# Altium PCB APB.PcbDoc (part 1 of 3) (continued)
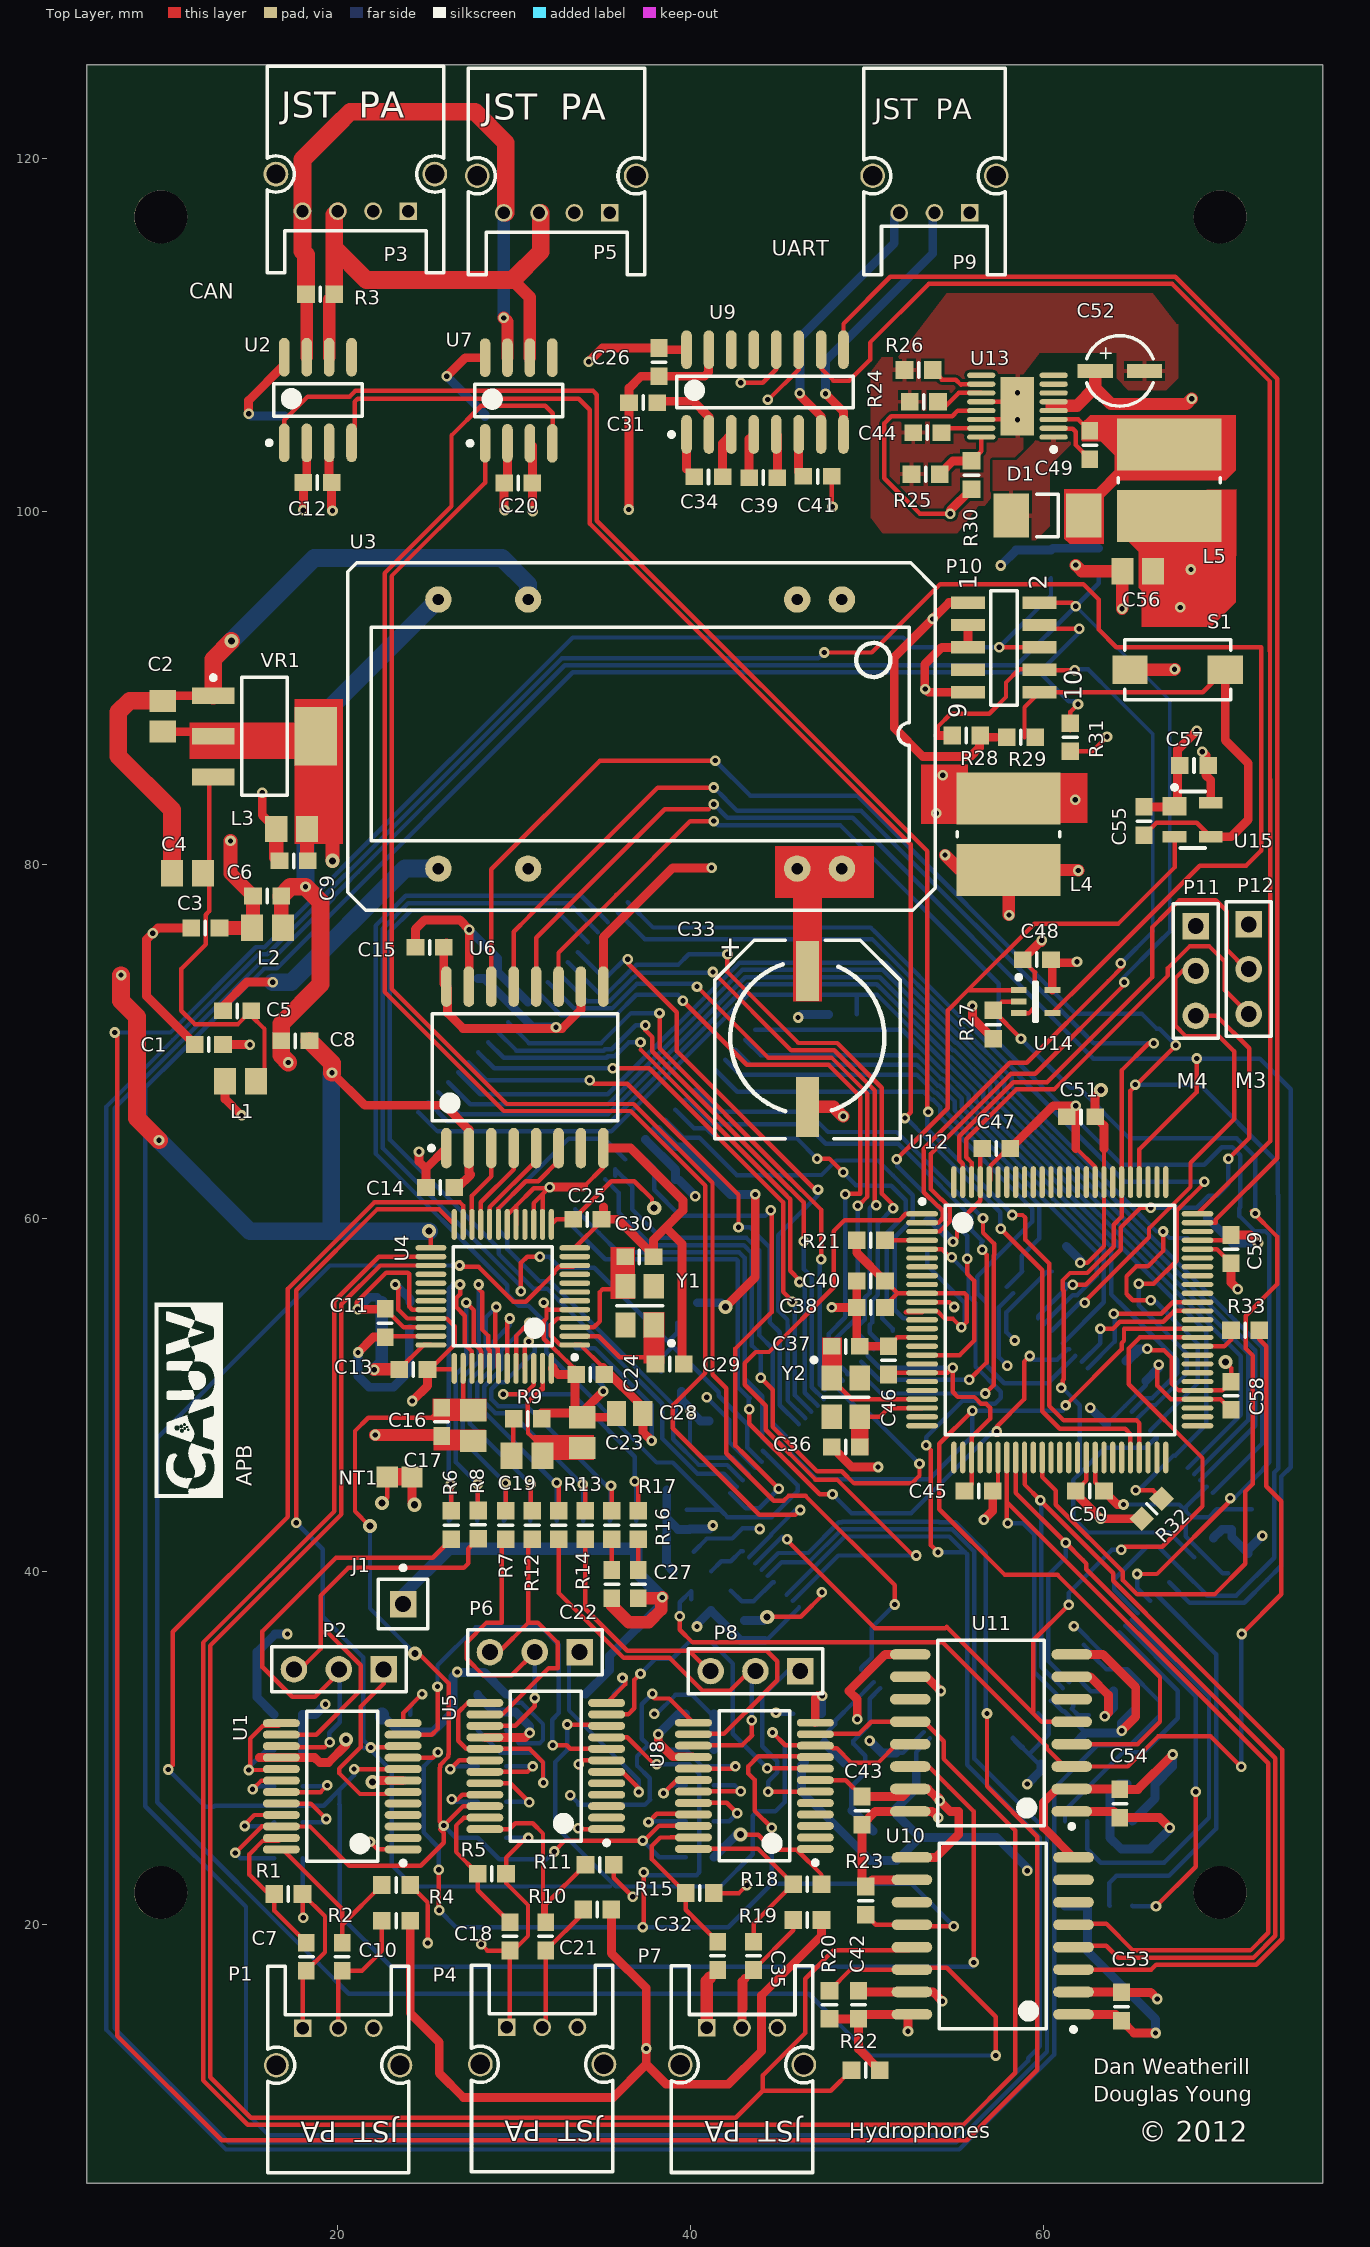
[diagram p0: Top Layer view]
## Components (designator, comment, footprint, x,y, rotation, side; value= is the part's Value field where it differs from the comment)
C1 "Cap" C0603 12.719,69.835 r0 top (schematic designator C73)
C2 "Cap" C0805 10.119,88.435 r90 top (schematic designator C78)
C3 "Cap" C0603 12.519,76.435 r180 top (schematic designator C68)
C4 "Cap" C0805 11.519,79.535 r0 top (schematic designator C77)
C5 "Cap" C0603 14.319,71.735 r0 top (schematic designator C32)
C6 "Cap" C0603 16.019,78.235 r180 top (schematic designator C31)
C7 "Cap" C0603 18.24,18.158 r270 top (schematic designator C65)
C8 "Cap" C0603 17.619,70.035 r0 top (schematic designator C67)
C9 "Cap" C0603 17.519,80.235 r180 top (schematic designator C36)
C10 "Cap" C0603 20.272,18.158 r270 top (schematic designator C64)
C11 "Cap" C0603 22.706,54.052 r270 top (schematic designator C21)
C12 "Cap" C0603 18.869,101.66 r180 top (schematic designator C1)
C13 "Cap" C0603 24.306,51.427 r0 top (schematic designator C8)
C14 "Cap" C0603 25.819,61.735 r180 top (schematic designator C58)
C15 "Cap" C0603 25.219,75.335 r0 top (schematic designator C57)
C16 "Cap" C0603 25.906,48.452 r90 top (schematic designator C20)
C17 "Cap" C0805 27.706,48.252 r90 top (schematic designator C19)
C18 "Cap" C0603 29.767,19.305 r270 top (schematic designator C65)
C19 "Cap Pol3" C0805 30.719,46.535 r180 top (schematic designator C3)
C20 "Cap" C0603 30.241,101.632 r180 top (schematic designator C1)
C21 "Cap" C0603 31.799,19.305 r270 top (schematic designator C64)
C22 "Cap" C0603 35.544,39.26 r90 top (schematic designator C55)
C23 "Cap Pol3" C0805 33.856,47.852 r90 top (schematic designator C4)
C24 "Cap" C0603 34.319,51.135 r180 top (schematic designator C6)
C25 "Cap" C0603 34.156,59.927 r180 top (schematic designator C10)
C26 "Cap" C0603 38.219,108.485 r270 top (schematic designator C1)
C27 "Cap" C0603 37.044,39.26 r90 top (schematic designator C56)
C28 "Cap Pol3" CAPC2012L 36.556,48.927 r0 top (schematic designator C9)
C29 "Cap" C0603 38.819,51.735 r180 top (schematic designator C1)
C30 "Cap" C0603 37.106,57.802 r180 top (schematic designator C2)
C31 "Cap" C0603 37.319,106.185 r180 top (schematic designator C2)
C32 "Cap" C0603 41.541,18.207 r270 top (schematic designator C65)
C33 "Cap Pol1" Capacitor 46.619,75.735 r270 top (schematic designator C76)
C34 "Cap" C0603 41.019,101.985 r0 top (schematic designator C3)
C35 "Cap" C0603 43.573,18.207 r270 top (schematic designator C64)
C36 "Cap" C0603 48.794,47.035 r180 top (schematic designator C39)
C37 "Cap" C0603 48.794,52.735 r0 top (schematic designator C40)
C38 "Cap" C0603 50.219,54.935 r0 top (schematic designator C43)
C39 "Cap" C0603 44.119,101.935 r0 top (schematic designator C4)
C40 "Cap" C0603 50.219,56.435 r0 top (schematic designator C45)
C41 "Cap" C0603 47.194,102.01 r0 top (schematic designator C5)
C42 "Cap" C0603 49.519,15.435 r270 top (schematic designator C62)
C43 "Cap" C0603 49.719,26.435 r270 top (schematic designator C60)
C44 "Cap" C0603 53.419,104.485 r180 top (schematic designator C6)
C45 "Cap" C0603 56.319,44.535 r180 top (schematic designator C44)
C46 "Cap" C0603 51.219,51.935 r270 top (schematic designator C42)
C47 "Cap" C0603 57.319,63.935 r180 top (schematic designator C49)
C48 "Cap" C0603 59.619,74.635 r180 top (schematic designator C51)
C49 "Cap" C0603 62.619,103.785 r270 top (schematic designator C2)
C50 "Cap" C0603 62.619,44.535 r0 top (schematic designator C41)
C51 "Cap" C0603 62.119,65.735 r0 top (schematic designator C48)
C52 "Cap Pol1" EEEHC1H2R2R 65.719,107.985 r90 top (schematic designator C1)
C53 "Cap" C0603 64.419,15.335 r270 top (schematic designator C61)
C54 "Cap" C0603 64.319,26.835 r270 top (schematic designator C59)
C55 "Cap" C0603 65.694,82.486 r90 top (schematic designator C2)
C56 "Cap" C0805 65.319,96.635 r180 top (schematic designator C4)
C57 "Cap" C0603 68.519,85.635 r180 top (schematic designator C1)
C58 "Cap" C0603 70.619,49.935 r90 top (schematic designator C47)
C59 "Cap" C0603 70.619,58.235 r90 top (schematic designator C46)
C60 "Cap" C0603 17.224,23.746 r180 bottom (schematic designator C63)
C61 "Cap" C0603 17.224,25.778 r0 bottom (schematic designator C68)
C62 "Cap" C0603 17.224,29.842 r0 bottom (schematic designator C75)
C63 "Cap" C0603 17.224,27.81 r180 bottom (schematic designator C69)
C64 "Cap" C0603 17.224,31.874 r0 bottom (schematic designator C70)
C65 "Cap" C0603 23.319,53.735 r0 bottom (schematic designator C22)
C66 "Cap" C0603 23.32,31.874 r180 bottom (schematic designator C74)
C67 "Cap" C0603 23.319,55.235 r0 bottom (schematic designator C5)
C68 "Cap" C0603 28.751,26.925 r0 bottom
C69 "Cap" C0603 28.751,28.957 r180 bottom
C70 "Cap" C0603 28.751,33.021 r0 bottom
C71 "Cap" C0603 26.319,42.06 r90 bottom (schematic designator C18)
C72 "Cap" C0603 28.519,74.135 r225 bottom (schematic designator C53)
C73 "Cap" C0603 28.751,24.893 r180 bottom (schematic designator C63)
C74 "Cap" C0603 28.751,30.989 r0 bottom (schematic designator C75)
C75 "Cap" C0603 29.419,42.06 r90 bottom (schematic designator C12)
C76 "Cap" C0603 27.919,42.06 r90 bottom (schematic designator C11)
C77 "Cap" C0603 34.847,33.021 r180 bottom (schematic designator C74)
C78 "Cap" C0603 32.419,42.06 r90 bottom (schematic designator C14)
C79 "Cap" C0603 30.919,42.06 r90 bottom (schematic designator C13)
C80 "Cap" C0603 35.419,42.06 r90 bottom (schematic designator C16)
C81 "Cap" C0603 33.919,42.06 r90 bottom (schematic designator C15)
C82 "Cap" C0603 33.919,52.235 r315 bottom (schematic designator C7)
C83 "Cap" C0603 40.525,23.795 r180 bottom (schematic designator C63)
C84 "Cap" C0603 40.525,25.827 r0 bottom (schematic designator C68)
C85 "Cap" C0603 40.525,29.891 r0 bottom (schematic designator C75)
C86 "Cap" C0603 40.525,27.859 r180 bottom (schematic designator C69)
C87 "Cap" C0603 40.525,31.923 r0 bottom (schematic designator C70)
C88 "Cap" C0603 39.619,40.535 r225 bottom (schematic designator C38)
C89 "Cap" C0603 36.919,42.06 r90 bottom (schematic designator C17)
C90 "Cap" C0603 39.719,62.735 r45 bottom (schematic designator C54)
C91 "Cap" C0603 43.619,36.635 r135 bottom (schematic designator C33)
C92 "Cap" C0603 41.619,48.035 r135 bottom (schematic designator C25)
C93 "Cap" C0603 47.019,29.735 r45 bottom (schematic designator C24)
C94 "Cap" C0603 46.621,31.923 r180 bottom (schematic designator C74)
C95 "Cap" C0603 50.919,25.835 r225 bottom (schematic designator C23)
C96 "Cap" C0603 52.219,29.135 r315 bottom (schematic designator C34)
C97 "Cap" C0603 53.419,59.035 r90 bottom (schematic designator C26)
C98 "Cap" C0603 60.419,29.635 r45 bottom (schematic designator C37)
C99 "Cap" C0603 60.719,57.835 r45 bottom (schematic designator C29)
C100 "Cap" C0603 65.519,27.935 r180 bottom (schematic designator C50)
C101 "Cap" C0603 64.519,32.635 r315 bottom (schematic designator C30)
C102 "Cap" C0603 65.219,51.335 r135 bottom (schematic designator C27)
C103 "Cap" C0603 71.019,40.435 r45 bottom (schematic designator C35)
C104 "Cap" C0603 71.219,42.935 r225 bottom (schematic designator C28)
D1 "D Schottky" VS-10BQ030TRPBF 60.219,99.785 r0 top
J1 "Socket" PIN1 23.719,38.135 r0 top
L1 "Inductor" C0805 14.519,67.735 r0 top (schematic designator L4)
L2 "Inductor" C0805 16.019,76.435 r180 top (schematic designator L3)
L3 "Inductor" C0805 17.394,82.035 r180 top (schematic designator L2)
L4 "Inductor" SDR0604-150YL 58.019,81.735 r270 top (schematic designator L1)
L5 "Inductor" SDR0604-150YL 67.119,101.785 r90 top (schematic designator L1)
NT1 "Net Tie" NetTie 24.019,45.335 r180 top net-tie
P1 "Header 3" S03B-PASK-2 22.044,14.11 r180 top (schematic designator P6)
P2 "Header 3" HDR1X3 22.619,34.435 r180 top (schematic designator P5)
P3 "Header 4" S04B-PASK-2 18.019,117.035 r0 top (schematic designator P2)
P4 "Header 3" S03B-PASK-2 33.595,14.164 r180 top (schematic designator P6)
P5 "Header 4" S04B-PASK-2 29.419,116.935 r0 top (schematic designator P1)
P6 "Header 3" HDR1X3 33.719,35.409 r180 top (schematic designator P5)
P7 "Header 3" S03B-PASK-2 44.919,14.135 r180 top (schematic designator P6)
P8 "Header 3" HDR1X3 46.219,34.335 r180 top (schematic designator P5)
P9 "Header 3" S03B-PASK-2 51.819,116.935 r0 top (schematic designator P1)
P10 "Header 5X2" FTSH-105-01-L-DV 54.819,89.135 r0 top (schematic designator P1)
P11 "Header 3" HDR1X3 68.619,76.535 r270 top (schematic designator P4)
P12 "Header 3" HDR1X3 71.619,76.635 r270 top (schematic designator P3)
R1 "Res2" R0603 17.224,21.714 r180 top (schematic designator R31)
R2 "Res2" R0603 23.32,20.19 r0 top (schematic designator R29)
R3 "Res2" R0603 19.019,112.335 r0 top (schematic designator R1)
R4 "Res2" R0603 23.32,22.222 r180 top (schematic designator R30)
R5 "Res2" R0603 28.751,22.861 r180 top (schematic designator R31)
R6 "Res1" R0603 26.444,42.61 r270 top (schematic designator R2)
R7 "Res1" R0603 29.544,42.61 r270 top (schematic designator R4)
R8 "Res1" R0603 27.986,42.632 r270 top (schematic designator R3)
R9 "Res1" R0603 30.781,48.635 r180 top (schematic designator R1)
R10 "Res2" R0603 34.719,20.835 r0 top (schematic designator R29)
R11 "Res2" R0603 34.847,23.369 r180 top (schematic designator R30)
R12 "Res1" R0603 31.044,42.61 r270 top (schematic designator R5)
R13 "Res1" R0603 32.544,42.61 r270 top (schematic designator R6)
R14 "Res1" R0603 34.044,42.61 r270 top (schematic designator R7)
R15 "Res2" R0603 40.525,21.763 r180 top (schematic designator R31)
R16 "Res1" R0603 37.044,42.61 r270 top (schematic designator R9)
R17 "Res1" R0603 35.544,42.61 r270 top (schematic designator R8)
R18 "Res2" R0603 46.621,22.271 r180 top (schematic designator R30)
R19 "Res2" R0603 46.621,20.239 r0 top (schematic designator R29)
R20 "Res1" R0603 47.869,15.435 r270 top (schematic designator R16)
R21 "Res2" R0603 50.219,58.735 r180 top (schematic designator R13)
R22 "Res1" R0603 49.919,11.735 r0 top (schematic designator R15)
R23 "Res1" R0603 49.919,21.335 r90 top (schematic designator R14)
R24 "Res" R0603 53.219,106.235 r0 top (schematic designator R5)
R25 "Res" R0603 53.319,102.135 r0 top (schematic designator R3)
R26 "Res" R0603 52.919,108.035 r0 top (schematic designator R4)
R27 "Res1" R0603 57.144,70.96 r270 top (schematic designator R34)
R28 "Res" R0603 55.619,87.335 r0 top (schematic designator R3)
R29 "Res" R0603 58.719,87.235 r180 top (schematic designator R5)
R30 "Res" R0603 55.919,102.085 r270 top (schematic designator R1)
R31 "Res" R0603 61.519,87.235 r270 top (schematic designator R2)
R32 "Res1" R0603 66.119,43.535 r45 top (schematic designator R40)
R33 "Res1" R0603 71.419,53.635 r180 top (schematic designator R12)
R34 "Res" R0603 16.994,104.635 r90 bottom (schematic designator R1)
R35 "Res" R0603 28.366,104.607 r90 bottom (schematic designator R1)
R36 "Res1" R0603 40.619,39.435 r45 bottom (schematic designator R11)
R37 "Res1" R0603 38.919,50.735 r135 bottom (schematic designator R39)
R38 "Res1" R0603 39.819,54.635 r45 bottom (schematic designator R35)
R39 "Res2" R0603 41.719,38.335 r225 bottom (schematic designator R10)
R40 "Res1" R0603 39.219,44.035 r315 bottom (schematic designator R37)
R41 "Res1" R0603 48.619,71.535 r180 bottom (schematic designator R36)
R42 "Res" R0603 60.419,97.035 r90 bottom (schematic designator R4)
R43 "Res" R0603 63.119,97.135 r90 bottom (schematic designator R1)
R44 "Res1" R0603 68.719,59.435 r225 bottom (schematic designator R38)
S1 "SW-PB" DTSM-32S-B 67.594,91.061 r180 top
U1 "PGA2505" SOP65P780X200-24N 20.272,27.81 r180 top (schematic designator U9)
U2 "SN65HVD230DR" SN65HVD230DR 18.894,106.335 r90 top (schematic designator U1)
U3 "JCD0624D05" DIP24 51.119,95.035 r270 top (schematic designator U11)
U4 "AD1794" TSQFP50P900X900X145-48N 29.369,55.56 r180 top (schematic designator U1)
U5 "PGA2505" SOP65P780X200-24N 31.799,28.957 r180 top (schematic designator U9)
U6 "ADUM3400" SOIC12 30.619,68.535 r90 top
U7 "SN65HVD230DR" SN65HVD230DR 30.266,106.307 r90 top (schematic designator U1)
U8 "PGA2505" SOP65P780X200-24N 43.619,27.835 r180 top (schematic designator U9)
U9 "TRSF3232EID" SOIC127P600X175-16N 44.219,106.785 r90 top (schematic designator U1)
U10 "ADUM1300" SOIC12 57.119,19.335 r180 top (schematic designator U7)
U11 "ADUM1301" SOIC12 57.019,30.835 r180 top (schematic designator U8)
U12 "LPC1768" LPC1768 60.919,54.235 r0 top (schematic designator U3)
U13 "LT3509" LT3509 58.519,105.985 r180 top (schematic designator U1)
U14 "74LVC1G08" SOT23127P600-8N 59.544,72.26 r0 top (schematic designator U10)
U15 "STM811" STM811 68.443,82.56 r0 top (schematic designator U1)
U16 "AS7C34098" TSOP80P1180X120-44N 34.119,68.335 r315 bottom (schematic designator U4)
U17 "LPC4330" TSQFP50P2200X2200X160-144N 55.919,43.135 r45 bottom (schematic designator U2)
U18 "AT25F512B" SOIC127P600-8N 63.119,23.435 r270 bottom (schematic designator U5)
VR1 "ADP3338AKCZ-3.3RL7" ADP3338AKCZ-3.3RL7 15.869,87.285 r0 top
Y1 "XTAL" C3E-24.000-12-3030-X 37.919,53.935 r90 top
Y2 "XTAL" C3E-24.000-12-3030-X 47.994,50.935 r270 top (schematic designator Y3)
Y3 "XTAL" C3E-24.000-12-3030-X 48.719,29.135 r315 bottom (schematic designator Y2)

## Footprints (in the part's own frame and the unit in brackets; to place one, negate y for a bottom-side part, rotate by r counter-clockwise, add the part's x,y. Pads: shape width x height; smd on the part's side, far side on the other; paste and mask are expansions set on the pad)
ADP3338AKCZ-3.3RL7 [mm] "3.3V LDO Regulator"
  rect 2.4x0.95 smd: 1(-2.9,2.3) 2(-2.9,0) 3(-2.9,-2.3)
  rect 2.4x3.3 smd: 2(2.9,0)
  silkscreen extent -3.02,-3.35 1.3,3.45, body extent -1.85,-3.35 1.85,3.35, height 1.8
C3E-24.000-12-3030-X [mm]
  rect 1.4x1.15 smd: 1(0,0) 2(2.2,1.6) 3(2.2,0) 4(0,1.6)
  silkscreen extent -1.15,-1.13 1.1,2.1, body extent -0.6,-0.5 2.8,2.1, height 0.75
C0603 [mm] "Chip Capacitor, 2-Leads, Body 1.6x0.8mm, IPC Medium Density"
  rect 1x0.95 smd: 1(-0.8,0) 2(0.8,0)
  silkscreen extent 0,-0.38 0,0.38, body extent -0.88,-0.48 0.87,0.48, height 0.8
C0805 [mm] "KEMET - C0805C104K5RACTU - CAPACITOR, 0805, 100NF, 50V, X7R"
  rect 1.25x1.5 smd: 1(-0.889,0) 2(0.861,0)
  body extent -1.12,-0.72 1.09,0.72, height 1
Capacitor [mm]
  rect 3.4x1.3 smd: 1(1.738,0) 2(9.438,0)
  silkscreen extent 0,-5.25 11.25,5.25, body extent 0.52,-4.98 10.98,5.5, height 10
CAPC2012L [mm] "Chip Capacitor, Body 2.0x1.3mm, IPC High Density"
  rect 1.1x1.4 smd: 1(-0.75,0) 2(0.75,0)
  body extent -1.1,-0.72 1.1,0.72, height 1.4
DIP24 [mm]
  round 1.5 hole 0.65: 2(0,-2.54) 3(0,-5.08) 9(0,-20.32) 11(0,-25.4) 14(15.24,-25.4) 16(15.24,-20.32) 22(15.24,-5.08) 23(15.24,-2.54)
  silkscreen extent -2.08,-30.53 17.61,2.75, body extent -1.27,-29.53 16.51,1.59, height 10.4
DTSM-32S-B [mm] "MULTICOMP - DTSM-32S-B - TACTILE SWITCH, SPNO, SMD, 50MA"
  rect 2x1.6 smd: 1(-2.7,0) 2(2.7,0)
  silkscreen extent -3,-1.7 3,1.7, body extent -3.67,-1.75 3.67,1.75, height 2.08
EEEHC1H2R2R [mm] "PANASONIC - EEEHC1H2R2R - CAPACITOR, ELECTROLYTIC, 50V, 2.2UF"
  rect 0.8x2 smd: 1(0,2.8) 2(0,0)
  silkscreen extent -2,-0.48 2,3.28, body extent -2.15,-0.9 2.15,3.7, height 5.9
FTSH-105-01-L-DV [mm] "HEADER, 1.27MM, SMD, 10WAY"
  rect 1.9x0.7 smd: 1(0.9,5.725) 2(4.95,5.725) 3(0.9,4.456) 4(4.95,4.456) 5(0.9,3.187) 6(4.95,3.187) 7(0.9,1.919) 8(4.95,1.919) 9(0.9,0.65) 10(4.95,0.65)
  silkscreen extent 2.2,-0.1 3.7,6.4, body extent 0,0 5.84,6.35, height 5.97
HDR1X3 [mm] "Connector; Header; 3 Position"
  rect 1.5x1.5 hole 0.9: 1(0,0)
  round 1.5 hole 0.9: 2(2.54,0) 3(5.08,0)
  silkscreen extent -1.27,-1.27 6.35,1.27
LPC1768 [mm] "TSQFP, 100-Leads, Body 16.8x16.8mm (max), Pitch 0.50mm, IPC Medium Density"
  oval 1.8x0.3 smd: 1(-7.8,6) 2(-7.8,5.5) 3(-7.8,5) 4(-7.8,4.5) 5(-7.8,4) 6(-7.8,3.5) 7(-7.8,3) 8(-7.8,2.5) 9(-7.8,2) 10(-7.8,1.5) 11(-7.8,1) 12(-7.8,0.5) 13(-7.8,0) 14(-7.8,-0.5) 15(-7.8,-1) 16(-7.8,-1.5) 17(-7.8,-2) 18(-7.8,-2.5) 19(-7.8,-3) 20(-7.8,-3.5) 21(-7.8,-4) 22(-7.8,-4.5) 23(-7.8,-5) 24(-7.8,-5.5) 25(-7.8,-6) 51(7.8,-6) 52(7.8,-5.5) 53(7.8,-5) 54(7.8,-4.5) 55(7.8,-4) 56(7.8,-3.5) 57(7.8,-3) 58(7.8,-2.5) 59(7.8,-2) 60(7.8,-1.5) 61(7.8,-1) 62(7.8,-0.5) 63(7.8,0) 64(7.8,0.5) 65(7.8,1) 66(7.8,1.5) 67(7.8,2) 68(7.8,2.5) 69(7.8,3) 70(7.8,3.5) 71(7.8,4) 72(7.8,4.5) 73(7.8,5) 74(7.8,5.5) 75(7.8,6)
  oval 0.3x1.8 smd: 26(-6,-7.8) 27(-5.5,-7.8) 28(-5,-7.8) 29(-4.5,-7.8) 30(-4,-7.8) 31(-3.5,-7.8) 32(-3,-7.8) 33(-2.5,-7.8) 34(-2,-7.8) 35(-1.5,-7.8) 36(-1,-7.8) 37(-0.5,-7.8) 38(0,-7.8) 39(0.5,-7.8) 40(1,-7.8) 41(1.5,-7.8) 42(2,-7.8) 43(2.5,-7.8) 44(3,-7.8) 45(3.5,-7.8) 46(4,-7.8) 47(4.5,-7.8) 48(5,-7.8) 49(5.5,-7.8) 50(6,-7.8) 76(6,7.8) 77(5.5,7.8) 78(5,7.8) 79(4.5,7.8) 80(4,7.8) 81(3.5,7.8) 82(3,7.8) 83(2.5,7.8) 84(2,7.8) 85(1.5,7.8) 86(1,7.8) 87(0.5,7.8) 88(0,7.8) 89(-0.5,7.8) 90(-1,7.8) 91(-1.5,7.8) 92(-2,7.8) 93(-2.5,7.8) 94(-3,7.8) 95(-3.5,7.8) 96(-4,7.8) 97(-4.5,7.8) 98(-5,7.8) 99(-5.5,7.8) 100(-6,7.8)
  silkscreen extent -7.92,-6.5 6.5,6.82, body extent -7,-7 7,7, height 1.6
LT3509 [mm] "LT3509"
  oval 1.6x0.3 smd: 1(-2.05,1.75) 2(-2.05,1.25) 3(-2.05,0.75) 4(-2.05,0.25) 5(-2.05,-0.25) 6(-2.05,-0.75) 7(-2.05,-1.25) 8(-2.05,-1.75) 9(2.05,-1.75) 10(2.05,-1.25) 11(2.05,-0.75) 12(2.05,-0.25) 13(2.05,0.25) 14(2.05,0.75) 15(2.05,1.25) 16(2.05,1.75)
  rect 1.9x3.3 smd: 17(0,0)
  silkscreen extent -2.18,2.33 -1.93,2.57, body extent -1.55,-2.07 1.55,2.07, height 1.1
NetTie [mm] "Net Tie"
  rect 1.2x1.2 smd: 1(-0.2,0) 2(1.2,0)
  Top Layer lines w1: 1.2,0 -0.2,0
PIN1 [mm] "Connector; Plug"
  rect 1.5x1.5 hole 0.9: 1(0,0)
  silkscreen extent -1.4,-1.4 1.4,2.17
R0603 [mm]
  rect 1x1 smd: 1(-0.8,0) 2(0.8,0)
  silkscreen extent 0,-0.4 0,0.4, body extent -0.85,-0.48 0.85,0.47, height 0.45
S03B-PASK-2 [mm] "JST (JAPAN SOLDERLESS TERMINALS) - S03B-PASK-2 - HEADER, PA, 3WAY, SIDE, 2MM"
  rect 1x1 hole 0.7: 1(4,0)
  round 1 hole 0.7: 2(2,0) 3(0,0)
  round 1.4 hole 1.1: ""(-1.5,2.1) ""(5.5,2.1)
  silkscreen extent -2,-3.5 6,8.2, body extent -2,-3.5 6,8.2, height 6.5
S04B-PASK-2 [mm] "JST (JAPAN SOLDERLESS TERMINALS) - S04B-PASK-2 - HEADER, PA, 4WAY, SIDE, 2MM"
  rect 1x1 hole 0.7: 1(6,0)
  round 1 hole 0.7: 2(4,0) 3(2,0) 4(0,0)
  round 1.4 hole 1.1: ""(-1.5,2.1) ""(7.5,2.1)
  silkscreen extent -2,-3.5 8,8.2, body extent -2,-3.5 8,8.2, height 6.5
SDR0604-150YL [mm] "BOURNS - SDR0604-150YL - INDUCTOR, SMD, 15UH, 1.6A"
  rect 2.95x5.9 smd: 1(-2.025,0) 2(2.025,0)
  silkscreen extent -0.15,-2.9 0.15,2.9, body extent -2.9,-2.88 2.9,2.92, height 4.8
SN65HVD230DR [mm] "TEXAS INSTRUMENTS - SN65HVD230DR - TRANSCEIVER CAN, 65HVD230, SOIC8"
  oval 2.2x0.6 smd: 1(-2.425,1.905) 2(-2.425,0.635) 3(-2.425,-0.635) 4(-2.425,-1.905) 5(2.425,-1.905) 6(2.425,-0.635) 7(2.425,0.635) 8(2.425,1.905)
  silkscreen extent -2.55,-2.5 0.92,2.88, body extent -2,-2.5 2,2.5, height 1.75
SOIC12 [mm]
  oval 2.3x0.6 smd: 1(-4.575,4.445) 2(-4.575,3.175) 3(-4.575,1.905) 4(-4.575,0.635) 5(-4.575,-0.635) 6(-4.575,-1.905) 7(-4.575,-3.175) 8(-4.575,-4.445) 9(4.575,-4.445) 10(4.575,-3.175) 11(4.575,-1.905) 12(4.575,-0.635) 13(4.575,0.635) 14(4.575,1.905) 15(4.575,3.175) 16(4.575,4.445)
  silkscreen extent -4.7,-5.25 3.03,5.42, body extent -3.8,-5.25 3.8,5.25, height 2.65
SOIC127P600-8N [mm]
  oval 2.2x0.6 smd: 1(-2.4,1.905) 2(-2.4,0.635) 3(-2.4,-0.635) 4(-2.4,-1.905) 5(2.4,-1.905) 6(2.4,-0.635) 7(2.4,0.635) 8(2.4,1.905)
  silkscreen extent -2.52,-2.55 0.9,2.88, body extent -1.99,-2.52 1.99,2.52, height 1.75
SOIC127P600X175-16N [mm] "SOIC, 16-Leads, Body 10.0x4.0mm (max), Pitch 1.27mm, IPC Medium Density"
  oval 2.2x0.6 smd: 1(-2.4,4.445) 2(-2.4,3.175) 3(-2.4,1.905) 4(-2.4,0.635) 5(-2.4,-0.635) 6(-2.4,-1.905) 7(-2.4,-3.175) 8(-2.4,-4.445) 9(2.4,-4.445) 10(2.4,-3.175) 11(2.4,-1.905) 12(2.4,-0.635) 13(2.4,0.635) 14(2.4,1.905) 15(2.4,3.175) 16(2.4,4.445)
  silkscreen extent -2.52,-5 0.9,5.42, body extent -2,-5 2,5, height 1.75
SOP65P780X200-24N [mm] "SOP, 24-Leads, Body 8.5x5.6mm (max), Pitch 0.65mm, IPC Medium Density"
  oval 2.1x0.45 smd: 1(-3.45,3.575) 2(-3.45,2.925) 3(-3.45,2.275) 4(-3.45,1.625) 5(-3.45,0.975) 6(-3.45,0.325) 7(-3.45,-0.325) 8(-3.45,-0.975) 9(-3.45,-1.625) 10(-3.45,-2.275) 11(-3.45,-2.925) 12(-3.45,-3.575) 13(3.45,-3.575) 14(3.45,-2.925) 15(3.45,-2.275) 16(3.45,-1.625) 17(3.45,-0.975) 18(3.45,-0.325) 19(3.45,0.325) 20(3.45,0.975) 21(3.45,1.625) 22(3.45,2.275) 23(3.45,2.925) 24(3.45,3.575)
  silkscreen extent -3.58,-4.25 2,4.47, body extent -2.8,-4.25 2.8,4.25, height 2
SOT23127P600-8N [mm]
  rect 0.9x0.35 smd: 1(-0.95,0.65) 2(-0.95,0) 3(-0.95,-0.65) 4(0.95,-0.65) 5(0.95,0.65)
  silkscreen extent -1.07,-1.1 0.1,1.5, body extent -0.67,-1.12 0.67,1.13, height 1
STM811 [mm] "SOT143, 4-Leads, Body 3.0x2.6mm (max), Pitch 1.92mm, IPC Medium Density"
  rect 1.35x1.05 smd: 1(-1.025,0.76)
  rect 1.35x0.65 smd: 2(-1.025,-0.96) 3(1.025,-0.96) 4(1.025,0.96)
  silkscreen extent -1.15,-1.6 0.7,1.96, body extent -0.7,-1.52 0.7,1.52, height 1.12
TSOP80P1180X120-44N [mm] "TSOP, 44-Leads, Body 18.5x10.3mm (max), Pitch 0.80mm, IPC Medium Density"
  oval 2.6x0.55 smd: 1(-5.1,8.4) 2(-5.1,7.6) 3(-5.1,6.8) 4(-5.1,6) 5(-5.1,5.2) 6(-5.1,4.4) 7(-5.1,3.6) 8(-5.1,2.8) 9(-5.1,2) 10(-5.1,1.2) 11(-5.1,0.4) 12(-5.1,-0.4) 13(-5.1,-1.2) 14(-5.1,-2) 15(-5.1,-2.8) 16(-5.1,-3.6) 17(-5.1,-4.4) 18(-5.1,-5.2) 19(-5.1,-6) 20(-5.1,-6.8) 21(-5.1,-7.6) 22(-5.1,-8.4) 23(5.1,-8.4) 24(5.1,-7.6) 25(5.1,-6.8) 26(5.1,-6) 27(5.1,-5.2) 28(5.1,-4.4) 29(5.1,-3.6) 30(5.1,-2.8) 31(5.1,-2) 32(5.1,-1.2) 33(5.1,-0.4) 34(5.1,0.4) 35(5.1,1.2) 36(5.1,2) 37(5.1,2.8) 38(5.1,3.6) 39(5.1,4.4) 40(5.1,5.2) 41(5.1,6) 42(5.1,6.8) 43(5.1,7.6) 44(5.1,8.4)
  silkscreen extent -5.22,-9.25 3.4,9.35, body extent -5.13,-9.26 5.13,9.26, height 1.2
TSQFP50P900X900X145-48N [mm] "TSQFP, 48-Leads, Body 9.2x9.2mm (max), Pitch 0.50mm, IPC Medium Density"
  oval 1.75x0.3 smd: 1(-4.075,2.75) 2(-4.075,2.25) 3(-4.075,1.75) 4(-4.075,1.25) 5(-4.075,0.75) 6(-4.075,0.25) 7(-4.075,-0.25) 8(-4.075,-0.75) 9(-4.075,-1.25) 10(-4.075,-1.75) 11(-4.075,-2.25) 12(-4.075,-2.75) 25(4.075,-2.75) 26(4.075,-2.25) 27(4.075,-1.75) 28(4.075,-1.25) 29(4.075,-0.75) 30(4.075,-0.25) 31(4.075,0.25) 32(4.075,0.75) 33(4.075,1.25) 34(4.075,1.75) 35(4.075,2.25) 36(4.075,2.75)
  oval 0.3x1.75 smd: 13(-2.75,-4.075) 14(-2.25,-4.075) 15(-1.75,-4.075) 16(-1.25,-4.075) 17(-0.75,-4.075) 18(-0.25,-4.075) 19(0.25,-4.075) 20(0.75,-4.075) 21(1.25,-4.075) 22(1.75,-4.075) 23(2.25,-4.075) 24(2.75,-4.075) 37(2.75,4.075) 38(2.25,4.075) 39(1.75,4.075) 40(1.25,4.075) 41(0.75,4.075) 42(0.25,4.075) 43(-0.25,4.075) 44(-0.75,4.075) 45(-1.25,4.075) 46(-1.75,4.075) 47(-2.25,4.075) 48(-2.75,4.075)
  silkscreen extent -4.2,-2.8 2.8,3.57, body extent -3.5,-3.5 3.5,3.5, height 1.45
TSQFP50P2200X2200X160-144N [mm] "TSQFP, 144-Leads, Body 22.1x22.1mm (max), Pitch 0.50mm, IPC Medium Density"
  oval 1.75x0.3 smd: 1(-10.575,8.75) 2(-10.575,8.25) 3(-10.575,7.75) 4(-10.575,7.25) 5(-10.575,6.75) 6(-10.575,6.25) 7(-10.575,5.75) 8(-10.575,5.25) 9(-10.575,4.75) 10(-10.575,4.25) 11(-10.575,3.75) 12(-10.575,3.25) 13(-10.575,2.75) 14(-10.575,2.25) 15(-10.575,1.75) 16(-10.575,1.25) 17(-10.575,0.75) 18(-10.575,0.25) 19(-10.575,-0.25) 20(-10.575,-0.75) 21(-10.575,-1.25) 22(-10.575,-1.75) 23(-10.575,-2.25) 24(-10.575,-2.75) 25(-10.575,-3.25) 26(-10.575,-3.75) 27(-10.575,-4.25) 28(-10.575,-4.75) 29(-10.575,-5.25) 30(-10.575,-5.75) 31(-10.575,-6.25) 32(-10.575,-6.75) 33(-10.575,-7.25) 34(-10.575,-7.75) 35(-10.575,-8.25) 36(-10.575,-8.75) 73(10.575,-8.75) 74(10.575,-8.25) 75(10.575,-7.75) 76(10.575,-7.25) 77(10.575,-6.75) 78(10.575,-6.25) 79(10.575,-5.75) 80(10.575,-5.25) 81(10.575,-4.75) 82(10.575,-4.25) 83(10.575,-3.75) 84(10.575,-3.25) 85(10.575,-2.75) 86(10.575,-2.25) 87(10.575,-1.75) 88(10.575,-1.25) 89(10.575,-0.75) 90(10.575,-0.25) 91(10.575,0.25) 92(10.575,0.75) 93(10.575,1.25) 94(10.575,1.75) 95(10.575,2.25) 96(10.575,2.75) 97(10.575,3.25) 98(10.575,3.75) 99(10.575,4.25) 100(10.575,4.75) 101(10.575,5.25) 102(10.575,5.75) 103(10.575,6.25) 104(10.575,6.75) 105(10.575,7.25) 106(10.575,7.75) 107(10.575,8.25) 108(10.575,8.75)
  oval 0.3x1.75 smd: 37(-8.75,-10.575) 38(-8.25,-10.575) 39(-7.75,-10.575) 40(-7.25,-10.575) 41(-6.75,-10.575) 42(-6.25,-10.575) 43(-5.75,-10.575) 44(-5.25,-10.575) 45(-4.75,-10.575) 46(-4.25,-10.575) 47(-3.75,-10.575) 48(-3.25,-10.575) 49(-2.75,-10.575) 50(-2.25,-10.575) 51(-1.75,-10.575) 52(-1.25,-10.575) 53(-0.75,-10.575) 54(-0.25,-10.575) 55(0.25,-10.575) 56(0.75,-10.575) 57(1.25,-10.575) 58(1.75,-10.575) 59(2.25,-10.575) 60(2.75,-10.575) 61(3.25,-10.575) 62(3.75,-10.575) 63(4.25,-10.575) 64(4.75,-10.575) 65(5.25,-10.575) 66(5.75,-10.575) 67(6.25,-10.575) 68(6.75,-10.575) 69(7.25,-10.575) 70(7.75,-10.575) 71(8.25,-10.575) 72(8.75,-10.575) 109(8.75,10.575) 110(8.25,10.575) 111(7.75,10.575) 112(7.25,10.575) 113(6.75,10.575) 114(6.25,10.575) 115(5.75,10.575) 116(5.25,10.575) 117(4.75,10.575) 118(4.25,10.575) 119(3.75,10.575) 120(3.25,10.575) 121(2.75,10.575) 122(2.25,10.575) 123(1.75,10.575) 124(1.25,10.575) 125(0.75,10.575) 126(0.25,10.575) 127(-0.25,10.575) 128(-0.75,10.575) 129(-1.25,10.575) 130(-1.75,10.575) 131(-2.25,10.575) 132(-2.75,10.575) 133(-3.25,10.575) 134(-3.75,10.575) 135(-4.25,10.575) 136(-4.75,10.575) 137(-5.25,10.575) 138(-5.75,10.575) 139(-6.25,10.575) 140(-6.75,10.575) 141(-7.25,10.575) 142(-7.75,10.575) 143(-8.25,10.575) 144(-8.75,10.575)
  silkscreen extent -10.7,-9.3 9.3,9.57, body extent -10,-10 10,10, height 1.6
VS-10BQ030TRPBF [mm] "VISHAY FORMERLY I.R. - VS-10BQ030TRPBF - DIODE, SCHOTTKY, 1A, 30V"
  rect 2x2.5 smd: 1(-2.05,0) 2(2.05,0)
  silkscreen extent -0.6,-1.2 0.6,1.2, body extent -2.2,-1.8 2.2,1.8, height 2.4

## Part data
C1 C2 C3 C4 C5 C6 C7 C8 C9 C10 C11 C12 C13 C14 C15 C16 C17 C18 C20 C21 C22 C24 C25 C26 C27 C29 C30 C31 C32 C34 C35 C36 C37 C38 C39 C40 C41 C42 C43 C44 C45 C46 C47 C48 C49 C50 C51 C53 C54 C55 C56 C57 C58 C59 C60 C61 C62 C63 C64 C65 C66 C67 C68 C69 C70 C71 C72 C73 C74 C75 C76 C77 C78 C79 C80 C81 C82 C83 C84 C85 C86 C87 C88 C89 C90 C91 C92 C93 C94 C95 C96 C97 C98 C99 C100 C101 C102 C103 C104: "Capacitor"
C19 C23 C28: "Polarized Capacitor (Surface Mount)"
C33 C52: "Polarized Capacitor (Radial)"
D1: "Schottky Diode"
NT1: library part NetTie
P1 P2 P4 P6 P7 P8 P9 P11 P12: "Header, 3-Pin"
P3 P5: "Header, 4-Pin"
P10: "Header, 5-Pin, Dual row"
R1 R2 R3 R4 R5 R6 R7 R8 R9 R10 R11 R12 R13 R14 R15 R16 R17 R18 R19 R20 R21 R22 R23 R27 R32 R33 R36 R37 R38 R39 R40 R41 R44: "Resistor"
R24 R25 R26 R28 R29 R30 R31 R34 R35 R42 R43: library part Res2, "Resistor"
S1: "Switch"
U1 U5 U8: "IC, MICROPHONE AMP, 24TSSOP"
U2 U7: "TEXAS INSTRUMENTS - SN65HVD230DR - TRANSCEIVER CAN, 65HVD230, SOIC8"
U3: "DC/DC CONVERTER, 6W, +/-5V, DIP-24"
U4: "ADC, 4CH, W/ON-CHIP, PLL, 48LQFP"
U6: "IC, DIGITAL ISOLATOR 4CH, SMD"
U9: "TEXAS INSTRUMENTS - TRSF3232EID - RS232, 1MBIT, LINE DRIV/REC, 16SOIC"
U10: "DIGITAL ISOLATOR 3CH, SMD, ADUM1300"
U11: "DIGITAL ISOLATOR 3CH, SMD, ADUM1301"
U12: library part LPC1769
U15: "STMICROELECTRONICS - STM811TW16F - MPU LOW RESET 3.08V, SOT-143-4, 811"
U16: "SRAM, 4MB, 3V, 12NS, 256K x 16, TSOP44"
U17: "MCU, 32BIT, ARM CORTEX M4&M0, 144LQFP"
U18: "MEMORY, DATAFLASH, 512K, SPI, 8SOIC"
VR1: "3.3V LDO Regulator"
Y1 Y2 Y3: "Crystal Oscillator"

## Free pads (board coordinates)
  round 3 hole 3: 1(9.994,21.79) 1(9.994,116.71) 1(69.994,21.79) 1(69.994,116.71)

## Via types
v1: diameter 0.6, hole 0.3, Top Layer to Bottom Layer, tented both sides, 287 vias
v2: diameter 0.8, hole 0.4, Top Layer to Bottom Layer, tented both sides, 14 vias
v3: diameter 0.8, hole 0.4, Top Layer to Bottom Layer, 1 vias

## Nets (pads, with @x,y where several pads share a name; then routed paths per layer and width w, separated by ;. In a path a pad name is that pad's centre, name@x,y a point inside that pad or via, vN(x,y) a via of type N, cw(c..) or ccw(c..) an arc to the next point about the centre after c; other vN are vias at no path point)
+3.3: C12.1 C15.2 C20.1 C26.1 C38.2 C40.2 C45.2 C46.2 C47.1 C48.1 C50.2 C51.1 C53.2 C54.2 C56.1 C57.1 C58.1 C59.1 C72.2 C88.1 C90.2 C91.1 C92.1 C96.1 C97.1 C98.1 C99.1 C100.2 C101.1 C102.1 C103.1 C104.1 L5.1 P10.1 R21.2 R27.2 R28.2 R29.2 R30.2 R31.2 R38.2 R39.2 R41.2 R42.2 R43.2 U2.3 U6.10 U6.16 U7.3 U9.16 U10.1 U11.1 U11.7 U12.10 U12.12 U12.19 U12.28 U12.42 U12.54 U12.71 U12.84 U12.96 U13.13 U14.5 U15.4 U16.11 U16.33 U17.5 U17.25 U17.36 U17.41 U17.59 U17.71 U17.77 U17.94 U17.107 U17.111 U17.127 U17.131 U17.137 U17.141 U18.3 U18.7 U18.8 | length 256.7
  Top Layer w0.25: C38.2@51.019,54.935 51.019,55.035 51.718,55.735 ; C40.2@51.019,56.434 51.718,55.735 ; C46.2@51.219,51.135 51.244,51.16 51.318,51.235 U12.19@53.119,51.235 54.559,51.235 v1(54.848,51.524) 54.848,50.155 55.144,49.86 56.08,49.86 56.455,49.485 56.744,49.485 56.969,49.26 56.969,48.635 55.919,47.584 U12.28@55.919,46.435 55.919,44.934 C45.2@55.519,44.534 ; U12.12@53.119,54.659 52.192,54.659 52.268,54.735 U12.12@53.119,54.735 53.97,54.735 54.42,54.285 54.869,54.285 v1(55.344,53.81) 55.644,54.11 55.644,55.61 55.519,55.735 U12.10@53.119,55.735 51.718,55.735 ; v1(54.719,99.885) 52.994,99.885 50.969,101.91 50.969,105.01 51.369,105.41 54.819,105.41 55.144,105.735 U13.13@56.469,105.735 ; U12.96@56.919,62.035 56.994,62.11 56.994,62.961 57.967,63.935 C47.1@58.019,63.935 ; R31.2@61.519,86.435 62.769,86.435 v1(63.594,87.26) ; 61.819,63.935 61.87,63.935 62.919,62.886 U12.84@62.919,62.035 ; U12.42@62.919,46.435 62.919,45.035 C50.2@63.419,44.534 ; v1(66.524,51.699) 66.444,51.619 66.444,50.51 67.219,49.735 U12.54@68.719,49.735 70.019,49.735 C58.1@70.619,49.135 ; U12.71@68.719,58.234 69.819,58.234 C59.1@70.619,57.434
  Top Layer w0.5: U2.3@19.529,103.91 19.529,101.799 C12.1@19.669,101.659 19.669,100.11 v1(19.719,100.06) ; C15.2@26.019,75.335 26.019,73.265 U6.16@26.174,73.109 26.244,73.04 26.244,71.61 27.119,70.735 v1@32.458,70.735 ; C15.2@26.174,75.335 C15.2@26.174,75.579 ; U7.3@30.901,103.882 31.041,103.742 C20.1@31.041,101.632 31.041,100.062 v1(31.069,100.035) ; v1(32.381,70.812) v1@32.458,70.735 ; U6.10@33.794,73.109 33.794,71.81 32.719,70.735 v1@32.458,70.735 ; v1(34.244,108.51) 35.019,109.285 C26.1@38.219,109.285 38.319,109.185 U9.16@39.774,109.185 ; v2(41.972,54.949) 42.683,55.66 43.669,56.645 v1(43.669,61.335) ; R21.2@49.419,58.735 49.419,58.034 C40.2@51.019,56.434 ; v1(54.719,99.885) 54.719,100.085 R30.2@55.919,101.284 ; P10.1@55.719,94.86 54.644,94.86 v1(53.719,93.935) 51.544,91.76 51.544,87.76 53.169,86.135 55.844,86.135 56.369,86.66 R28.2@56.369,87.235 ; v1(55.969,72.01) 55.969,71.334 R27.2@57.144,70.159 ; R28.2@56.419,87.335 56.369,87.285 R28.2@56.369,87.235 ; 57.319,87.235 R28.2@56.369,87.235 ; C47.1@58.019,63.935 C47.1@58.069,63.984 ; C47.1@58.119,63.934 60.544,66.36 v1(61.819,66.36) 61.819,63.935 ; U14.5@60.494,72.909 60.494,74.309 60.344,74.46 61.844,74.46 v1(61.894,74.51) ; U11.1@61.594,26.389 63.964,26.389 C54.2@64.319,26.035 66.569,26.035 v1(67.144,25.46) ; U11.7@61.594,34.009 62.644,34.009 63.669,32.985 63.669,31.985 v1(63.469,31.785) ; U10.1@61.694,14.889 64.064,14.889 C53.2@64.419,14.535 65.119,13.835 v1(66.344,13.835) ; C50.2@63.419,44.534 64.18,43.773 v1(64.523,43.773) ; v1(68.994,86.41) 69.194,86.21 69.194,85.085 69.468,84.811 U15.4@69.468,83.52 ; C59.1@70.619,57.434 70.619,56.335 v1(70.994,55.96)
  Bottom Layer w0.25: C88.1@40.184,41.1 40.928,41.844 U17.36@42.254,41.844 42.36,41.844 42.944,42.428 43.874,42.428 v1(43.916,42.387) ; v1(40.925,49.849) 40.919,49.842 40.919,49.835 42.184,48.569 42.184,47.369 42.184,47.323 U17.41@43.668,45.839 ; R39.2@41.153,37.644 R39.2@41.153,37.769 ; C91.1@44.384,36.169 46.143,37.927 U17.25@46.143,37.955 ; U17.59@50.032,52.203 50.711,51.524 v1(54.848,51.524) ; C96.1@51.653,29.7 52.03,29.7 U17.5@53.214,30.884 ; C97.1@53.419,58.235 53.419,57.302 U17.71@54.275,56.446 55.061,55.66 55.519,55.202 55.519,53.985 v1(55.344,53.81) ; v1(58.369,53.06) 57.894,53.535 57.894,54.655 U17.77@58.623,55.385 60.207,56.969 C99.1@60.453,56.969 ; U17.141@58.475,30.325 59.171,29.629 ; U17.137@59.684,31.945 60.294,31.335 60.294,30.752 59.171,29.629 ; C98.1@59.853,29.069 59.731,29.069 59.171,29.629 ; v1(61.719,36.885) 61.815,36.885 U17.127@63.219,35.48 ; U17.131@61.805,34.066 62.671,33.2 C101.1@63.953,33.2 ; 63.568,48.31 U17.94@64.634,49.375 65.784,50.525 C102.1@65.784,50.769 ; v1(64.523,43.773) 67.68,43.773 68.044,43.41 ; U17.111@68.876,41.137 68.044,41.97 68.044,42.71 68.394,43.06 ; U17.107@69.23,44.779 69.213,44.779 68.044,43.61 68.044,43.41 ; C104.1@71.784,43.5 69.809,43.5 69.369,43.06 68.394,43.06 ; 68.044,43.41 68.394,43.06
  Bottom Layer w0.254: U17.111@68.876,41.137 70.144,39.869 C103.1@70.453,39.869
  Bottom Layer w0.3: U17.141@58.27,30.53 58.475,30.325 U17.141@58.782,30.018
  Bottom Layer w0.5: C72.2@27.953,73.569 28.319,73.569 U16.11@30.229,71.658 31.076,70.812 v1(32.381,70.812) ; U16.33@38.008,65.011 38.184,65.011 39.163,64.033 39.552,64.033 C90.2@40.284,63.3 42.25,61.335 v1(43.669,61.335) ; v1(40.369,36.86) 40.369,36.985 R39.2@41.153,37.769 42.853,36.069 C91.1@44.184,36.069 ; R38.2@40.384,55.2 41.721,55.2 v2(41.972,54.949) ; v1(46.094,71.36) 46.269,71.534 R41.2@47.819,71.534 ; v1(50.144,30.385) 50.828,29.7 C96.1@51.653,29.7 ; v1(57.569,96.96) 58.444,97.835 R42.2@60.419,97.835 60.519,97.935 R43.2@63.119,97.935 ; v1(59.069,27.935) 59.853,28.719 C98.1@59.853,29.069 ; U18.8@61.214,21.035 U18.7@62.484,21.035 62.484,18.47 66.344,14.61 v1(66.344,13.835) ; v1@62.631,49.247 63.568,48.31 ; v1(63.469,31.785) 63.953,32.269 C101.1@63.953,33.2 ; C100.2@64.719,27.934 64.269,27.934 63.744,27.41 63.754,27.4 U18.3@63.754,25.835 63.754,24.9 64.394,24.26 66.019,24.26 67.144,25.385 v1(67.144,25.46) ; C102.1@65.784,50.769 66.524,51.508 v1(66.524,51.699)
  other v1: 62.644,49.26 67.744,94.585 68.344,96.735
+3.3_ISOL: C9.2 C13.2 C23.2 C24.2 C28.1 C67.2 C82.2 L3.2 R9.1 U4.5 U4.33 U4.37 U4.48 | length 35.7
  Top Layer w0.25: v1(23.273,56.233) 23.273,56.204 v1@23.456,56.022 ; v1@23.494,56.06 v1@23.456,56.022 ; U4.37@26.619,51.484 26.561,51.427 C13.2@25.106,51.427 25.237,51.427 26.644,52.833 26.644,53.86 26.194,54.31 U4.33@25.294,54.31 23.956,54.31 23.456,54.81 v1@23.456,56.022 ; v1(31.694,55.21) 31.646,55.21 31.639,55.203 31.639,55.14 31.844,54.936 31.844,54.31 31.694,54.16 31.694,53.886 31.694,53.185 31.694,53.168 32.452,52.409 32.469,52.409 33.352,51.527 C24.2@33.456,51.527 ; 31.97,54.809 32.617,54.809 U4.5@33.444,54.809
  Top Layer w0.5: v1(15.744,84.085) 15.744,82.823 L3.2@16.533,82.034 ; v1(24.244,49.635) 25.106,50.497 C13.2@25.106,51.427 ; R9.1@31.556,48.952 C23.2@33.617,48.952 ; U4.48@32.211,51.527 32.169,51.484 32.519,51.135 C24.2@33.456,51.135 ; C24.2@33.519,51.135 C24.2@33.456,51.135 ; v1(35.051,50.192) 33.856,48.997 C23.2@33.856,48.713 ; C28.1@35.806,48.927 35.592,48.713 C23.2@33.856,48.713 ; C24.2@33.456,51.135 33.456,49.113 C23.2@33.617,48.952 ; C23.2@33.617,48.952 C23.2@33.856,48.713
  Top Layer w0.8: L3.2@16.533,82.034 16.533,80.421 C9.2@16.719,80.235
  Bottom Layer w0.25: C82.2@34.484,51.669 34.484,51.044 35.051,50.477 v1(35.051,50.192)
  Bottom Layer w0.5: v1(23.273,56.233) 24.119,55.387 C67.2@24.119,55.234
+3.3_ISOL_D: C2.1 C9.1 C14.2 C25.2 C42.2 C43.2 L3.1 R20.2 R22.2 R23.2 U4.13 U6.1 U10.10 U10.16 U11.10 U11.16 VR1.2 | length 42
  Top Layer w0.25: U4.13@32.119,59.635 32.411,59.927 C25.2@33.356,59.927 35.514,62.085 36.819,62.085 37.819,61.085 37.819,60.685 v2(37.944,60.56)
  Top Layer w0.5: C2.1@10.119,87.546 12.708,87.546 VR1.2@12.969,87.285 ; v1(24.622,63.749) 24.622,63.201 25.019,62.804 ; C14.2@25.019,61.735 25.019,62.804 ; U6.1@26.174,63.959 25.019,62.804 ; R20.2@47.869,14.635 C42.2@49.519,14.635 ; R22.2@50.719,11.734 49.519,12.934 C42.2@49.519,14.635 ; v1(52.319,13.935) 52.319,14.664 U10.16@52.544,14.889 49.774,14.889 C42.2@49.519,14.635 ; U11.10@52.444,34.009 53.369,34.009 v1(54.169,33.21) ; U10.10@52.544,22.509 50.294,22.509 R23.2@49.919,22.134 49.719,22.334 C43.2@49.719,25.635 50.474,26.389 U11.16@52.444,26.389 53.689,26.389 v1(54.044,26.035)
  Top Layer w0.8: L3.1@18.283,82.034 18.283,80.271 C9.1@18.319,80.235 ; v2(19.719,80.235) 19.719,83.51
A0: R32.2 R41.1 U16.1 U17.102 | length 70.2
  Top Layer w0.25: v1(65.219,44.585) 66.2,44.585 R32.2@66.684,44.1
  Bottom Layer w0.25: R41.1@49.419,71.534 49.419,72.535 49.519,72.635 ; 64.231,58.541 69.216,53.556 69.216,53.42 ; v1(65.219,44.585) 65.394,44.585 67.356,46.546 U17.102@67.462,46.546
  Bottom Layer w0.254: U16.1@24.573,66.001 25.669,64.904 35.506,64.904 43.236,72.635 49.519,72.635 50.59,72.635 54.518,68.707 54.586,68.707 56.166,67.127 56.166,66.606 64.231,58.541 64.231,58.405 ; U17.102@67.462,46.546 69.216,48.3 69.216,53.42
A1: U16.2 U17.104 | length 66.3
  Bottom Layer w0.254: U16.2@25.138,66.567 26.219,65.486 35.516,65.486 43.273,73.242 50.554,73.242 50.758,73.039 54.686,69.111 54.753,69.111 56.57,67.294 56.57,67.227 56.57,66.773 61.768,61.575 64.635,58.708 69.62,53.723 71.178,52.165 71.178,48.848 U17.104@68.169,45.839
A2: U16.3 U17.105 | length 66.9
  Bottom Layer w0.254: U16.3@25.704,67.132 26.947,65.89 35.349,65.89 43.105,73.646 50.722,73.646 54.853,69.515 54.92,69.515 56.974,67.461 56.974,67.394 56.974,66.94 62.172,61.742 65.039,58.875 70.024,53.89 71.582,52.332 71.582,52.197 71.582,48.544 U17.105@68.523,45.486
A3: U16.4 U17.106 | length 67.3
  Bottom Layer w0.254: U16.4@26.27,67.698 27.522,66.446 35.334,66.446 42.938,74.05 50.889,74.05 55.021,69.919 55.088,69.919 57.378,67.629 57.378,67.561 57.378,67.108 62.576,61.91 65.443,59.043 70.428,54.058 71.986,52.5 71.986,52.364 71.986,48.241 U17.106@68.876,45.132
A4: U16.5 U17.108 | length 67.9
  Bottom Layer w0.254: U16.5@26.835,68.264 28.097,67.002 35.319,67.002 42.771,74.454 51.056,74.454 55.188,70.323 55.255,70.323 57.782,67.796 57.782,67.729 57.782,67.275 62.98,62.077 65.847,59.21 70.832,54.225 72.39,52.667 72.39,52.531 72.39,47.231 U17.108@69.583,44.425